# Altium PCB ALCT_MEZ_SPARTAN6T.PcbDoc (part 9 of 12)
Units mil, origin at the board's own origin, x right, y up, seen from the top; angles counter-clockwise.
Board outline 4100 x 5351.19 mil, 12 copper layers (Top Layer, Mid-Layer 1, +3V3, Mid-Layer 2, +1V2, Mid-Layer 4, +1V8, Mid-Layer 5, GND1, Mid-Layer 7, GND2, Bottom Layer), stack 64.7 mil thick; 320 components, 598 nets, 2316 pads, 1572 vias.
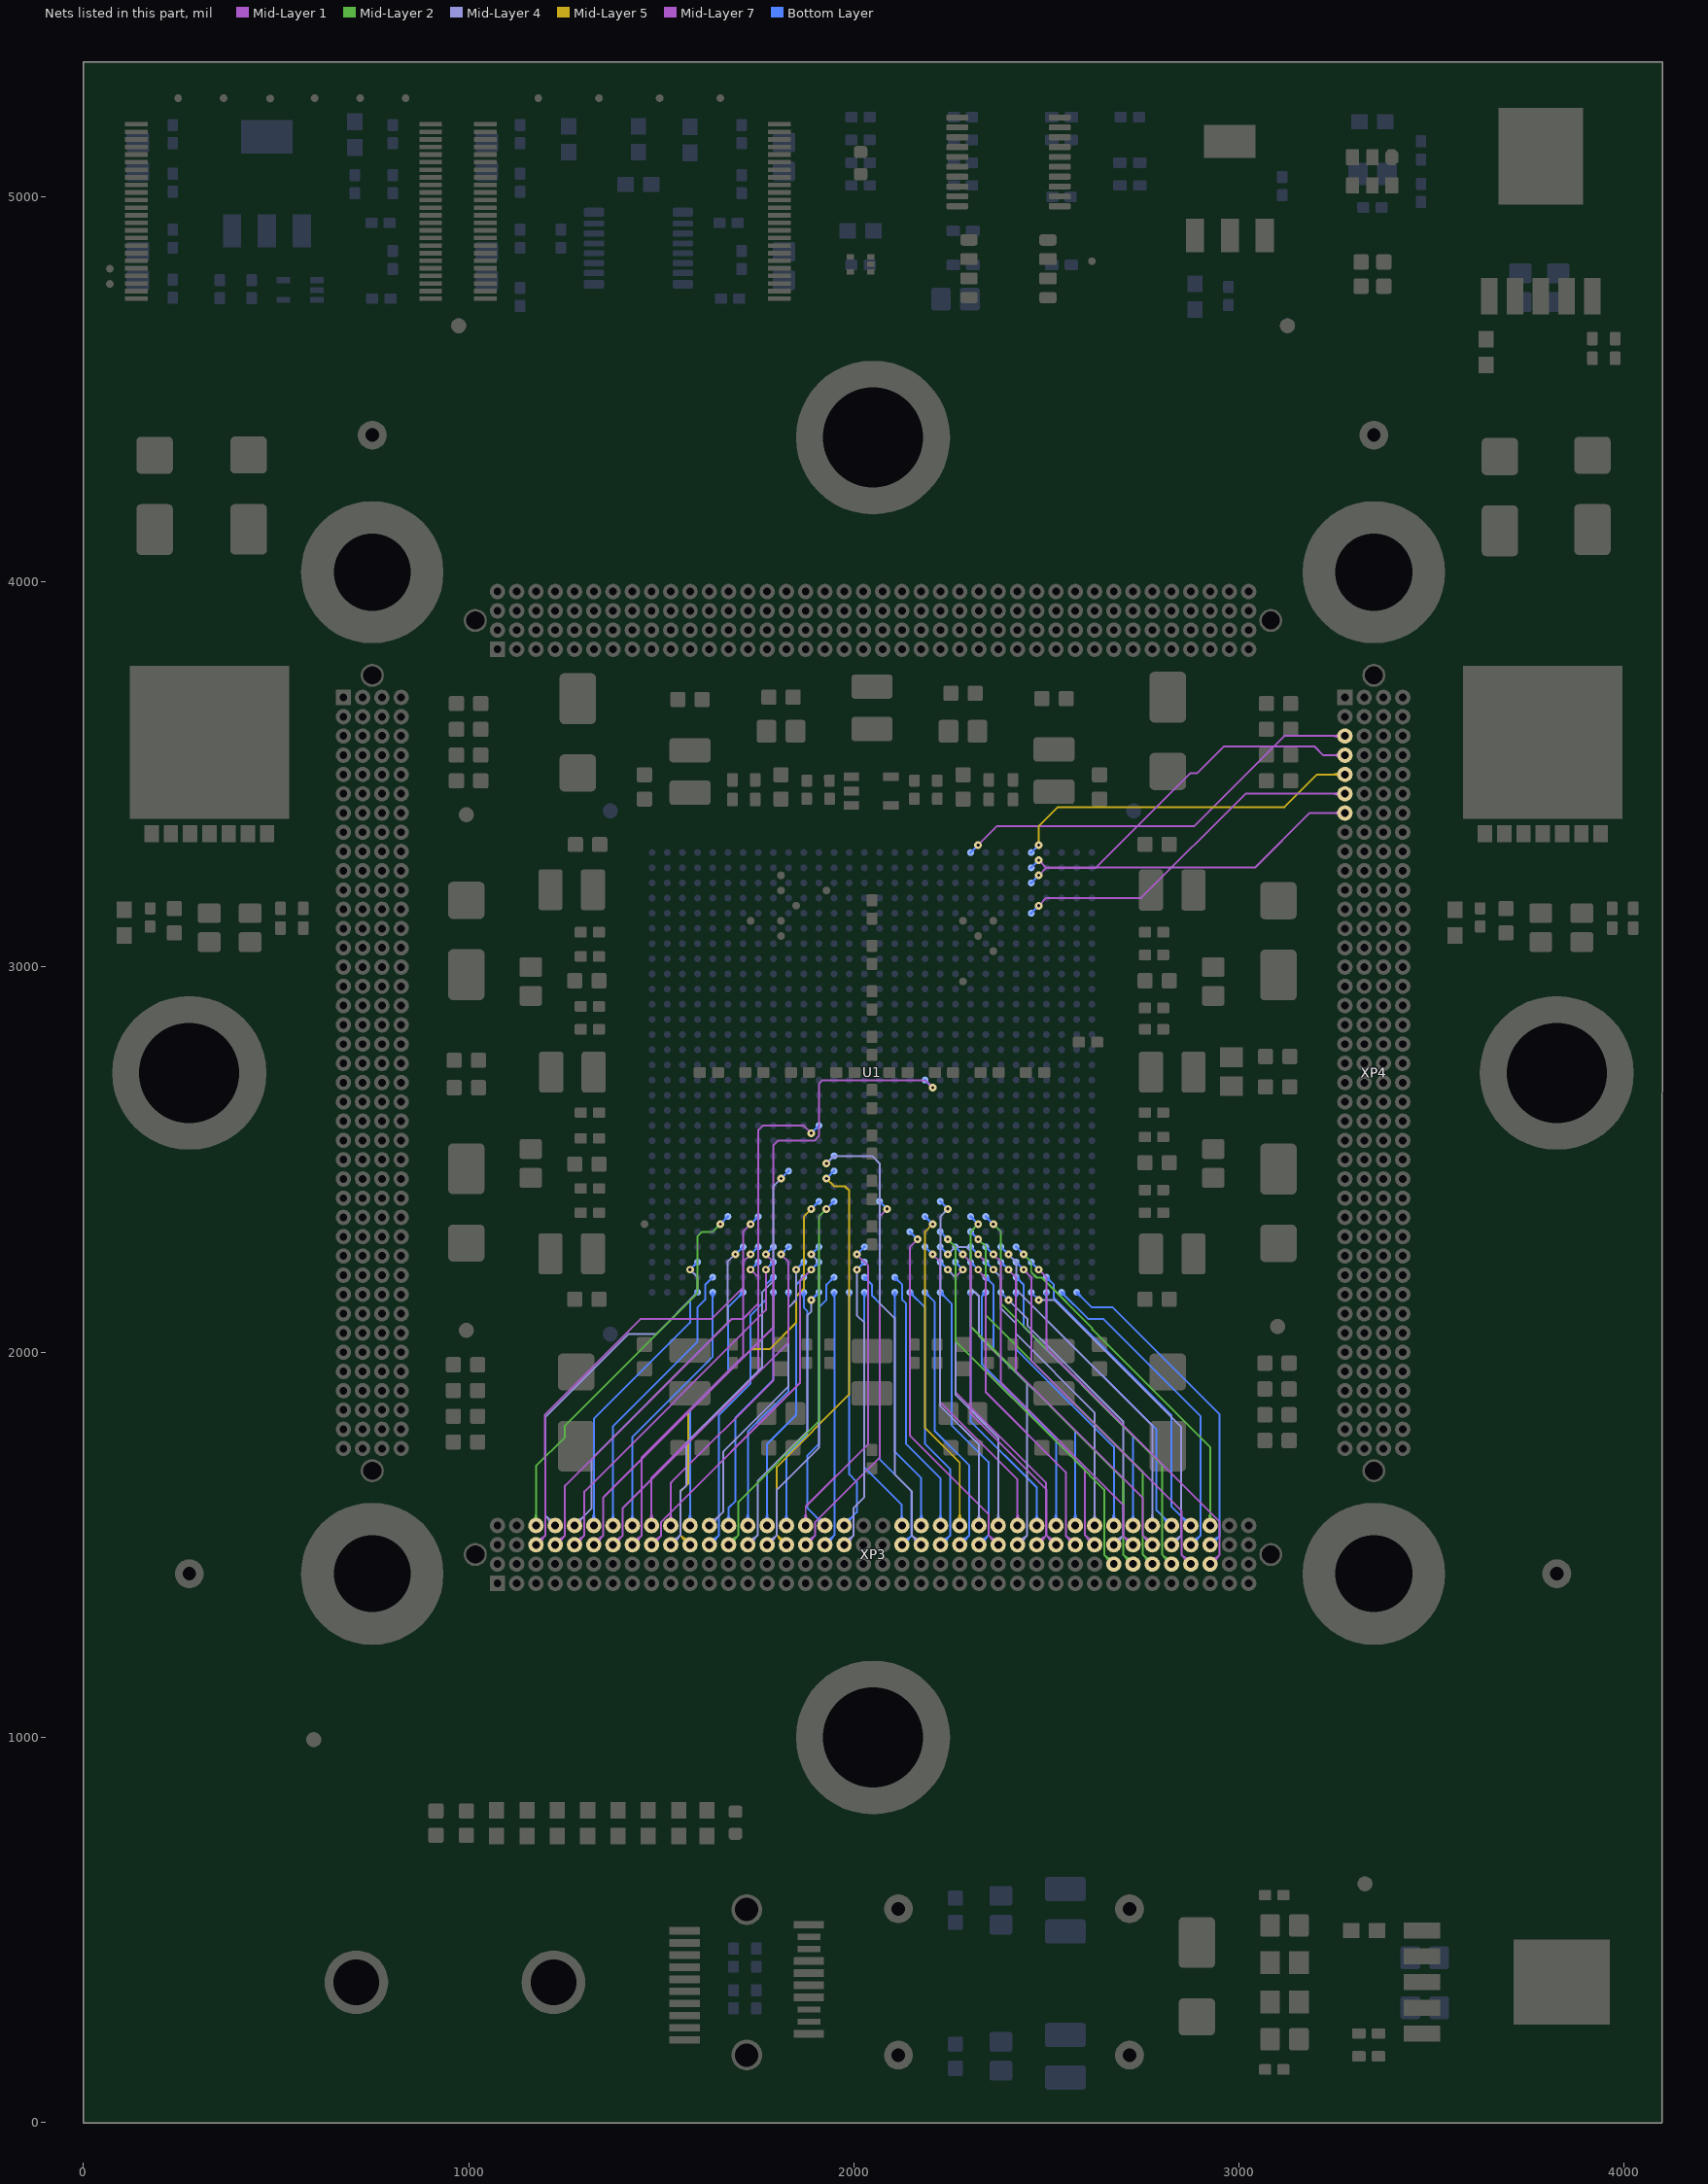
[diagram p19: the nets of this part, all layers, seen from the top]

## Via types
v1: diameter 20, hole 8, Top Layer to Bottom Layer, tented both sides, 1562 vias
v2: diameter 40, hole 20, Top Layer to Bottom Layer, 6 vias
v3: diameter 40, hole 20, Top Layer to Bottom Layer, tented both sides, 4 vias

## Nets (pads, with @x,y where several pads share a name; then routed paths per layer and width w, separated by ;. In a path a pad name is that pad's centre, name@x,y a point inside that pad or via, vN(x,y) a via of type N, cw(c..) or ccw(c..) an arc to the next point about the centre after c; other vN are vias at no path point) (continued)
XP3B_33: U1.L5 XP3.B33 | length 1219.1
  Mid-Layer 2 w5: v1(2244.09,2293.29) 2263.96,2273.42 2263.96,2183.28 2263.96,2167.12 2263.96,2029.32 2561.19,1732.1 2562.21,1732.1 2573.63,1720.68 2573.63,1719.66 2650,1643.29 2650,1473.82 ; XP3.B33@2675,1448.82 XP3.B33@2673.82,1450 ; XP3.B33@2675,1450 XP3.B33@2673.82,1450 ; 2650,1473.82 ccw(c2674.93,1498.75) 2674.98,1463.5 cw(c2674.91,1498.73) 2650,1473.82 ; 2650,1473.82 XP3.B33@2673.82,1450 ; 2652.78,1471.04 cw(c2631.74,1450) 2661.5,1450 ccw(c2631.76,1450) 2652.79,1471.03 ; 2658.52,1465.3 ccw(c2674.96,1481.74) 2674.99,1458.5 cw(c2674.94,1481.74) 2658.51,1465.31 ; 2661.32,1462.5 cw(c2648.81,1450) 2666.5,1450 ccw(c2648.83,1450) 2661.33,1462.5
  Bottom Layer w6: U1.L5@2224.41,2312.99 v1(2244.09,2293.29)
XP3B_34: U1.J6 XP3.B34 | length 1262.2
  Mid-Layer 2 w5: v1(2322.84,2332.68) 2303.33,2313.16 2303.33,2066.75 2700,1670.08 2700,1473.82 ; XP3.B34@2725,1448.82 XP3.B34@2723.82,1450 ; XP3.B34@2725,1450 XP3.B34@2723.82,1450 ; 2700,1473.82 ccw(c2724.93,1498.75) 2724.98,1463.5 cw(c2724.91,1498.73) 2700,1473.82 ; 2700,1473.82 XP3.B34@2723.82,1450 ; 2702.78,1471.04 cw(c2681.74,1450) 2711.5,1450 ccw(c2681.76,1450) 2702.79,1471.03 ; 2708.52,1465.3 ccw(c2724.96,1481.74) 2724.99,1458.5 cw(c2724.94,1481.74) 2708.51,1465.31 ; 2711.32,1462.5 cw(c2698.81,1450) 2716.5,1450 ccw(c2698.83,1450) 2711.33,1462.5
  Bottom Layer w6: U1.J6@2303.15,2352.36 v1(2322.84,2332.68)
XP3B_35: U1.J5 XP3.B35 | length 1226.1
  Mid-Layer 2 w5: v1(2322.84,2293.29) 2342.7,2273.44 2342.7,2096.27 2750,1688.98 2750,1475 XP3.B35@2775,1450 ; XP3.B35@2774.41,1449.41 XP3.B35@2775,1448.82 ; 2760.49,1464.51 ccw(c2775,1479.02) 2775,1458.5 cw(c2775,1479.02) 2760.49,1464.51 ; 2760.49,1464.51 cw(c2745.98,1450) 2766.5,1450 ccw(c2745.98,1450) 2760.49,1464.51 ; 2751.96,1473.04 ccw(c2775,1496.09) 2775,1463.5 cw(c2775,1496.09) 2751.95,1473.05 cw(c2728.91,1450) 2761.5,1450 ccw(c2728.91,1450) 2751.96,1473.04
  Bottom Layer w6: U1.J5@2303.15,2312.99 v1(2322.84,2293.29)
XP3B_36: U1.H6 XP3.B36 | length 1269.9
  Mid-Layer 2 w5: v1(2362.21,2332.68) 2382.07,2312.82 2382.07,2125.81 2800,1707.87 2800,1475 XP3.B36@2825,1450 ; XP3.B36@2824.41,1449.41 XP3.B36@2825,1448.82 ; 2810.49,1464.51 ccw(c2825,1479.02) 2825,1458.5 cw(c2825,1479.02) 2810.49,1464.51 ; 2810.49,1464.51 cw(c2795.98,1450) 2816.5,1450 ccw(c2795.98,1450) 2810.49,1464.51 ; 2801.96,1473.04 ccw(c2825,1496.09) 2825,1463.5 cw(c2825,1496.09) 2801.95,1473.05 cw(c2778.91,1450) 2811.5,1450 ccw(c2778.91,1450) 2801.96,1473.04
  Bottom Layer w6: U1.H6@2342.52,2352.36 v1(2362.21,2332.68)
XP3B_37: U1.F3 XP3.B37 | length 1141.5
  Mid-Layer 1 w5: v1(2440.94,2214.56) 2460.63,2194.88 2460.63,1978.35 2850.5,1588.48 2850.5,1474.5 XP3.B37@2875,1450 ; XP3.B37@2875.59,1449.41 2875,1448.82 XP3.B37@2876.18,1450 ; 2860.49,1464.51 ccw(c2875,1479.02) 2875,1458.5 cw(c2875,1479.02) 2860.49,1464.51 ; 2860.49,1464.51 cw(c2845.98,1450) 2866.5,1450 ccw(c2845.98,1450) 2860.49,1464.51 ; 2851.96,1473.04 ccw(c2875,1496.09) 2875,1463.5 cw(c2875,1496.09) 2851.95,1473.05 cw(c2828.91,1450) 2861.5,1450 ccw(c2828.91,1450) 2851.96,1473.04
  Bottom Layer w6: U1.F3@2421.26,2234.25 v1(2440.94,2214.56)
XP3B_38: U1.E3 XP3.B38 | length 1166.7
  Mid-Layer 1 w5: v1(2480.33,2214.56) 2500.7,2194.19 2500.7,2008.95 2950,1559.65 2950,1473.82 ; XP3.B38@2926.18,1450 2925,1448.82 2950,1473.82 ; 2938.67,1462.49 ccw(c2951.16,1450) 2933.5,1450 cw(c2951.18,1450) 2938.68,1462.5 ; 2950,1473.82 cw(c2925.08,1498.74) 2925.02,1463.5 ccw(c2925.1,1498.72) 2950,1473.82 ; XP3.B38@2925.01,1458.5 ccw(c2925.05,1481.73) 2941.48,1465.3 cw(c2925.06,1481.73) XP3.B38@2925.02,1458.5 ; XP3.B38@2938.5,1450 cw(c2968.25,1450) 2947.21,1471.03 ccw(c2968.23,1450) XP3.B38@2938.5,1450
  Bottom Layer w6: U1.E3@2460.63,2234.25 v1(2480.33,2214.56)
XP3C_3: U1.AC4 XP3.C3 | length 1289.5
  Mid-Layer 1 w5: XP3.C3@1174.41,1499.41 XP3.C3@1175,1498.82 ; XP3.C3@1175,1500 1199.5,1524.5 1199.5,1722.44 1198.51,1723.43 1198.51,1838.28 1446.85,2086.61 1631.92,2086.61 1712.79,2167.49 1712.79,2234.43 v1(1732.29,2253.93) ; 1189.51,1514.51 ccw(c1204.02,1500) 1183.5,1500 cw(c1204.02,1500) 1189.51,1514.51 ; 1189.51,1514.51 cw(c1175,1529.02) 1175,1508.5 ccw(c1175,1529.02) 1189.51,1514.51 ; XP3.C3@1175,1513.5 ccw(c1175,1546.09) 1198.04,1523.04 ccw(c1221.09,1500) 1188.5,1500 cw(c1221.09,1500) 1198.05,1523.05 cw(c1175,1546.09) XP3.C3@1175,1513.5
  Bottom Layer w6: v1(1732.29,2253.93) U1.AC4@1751.98,2273.61
XP3C_4: U1.AC3 XP3.C4 | length 1153.7
  Mid-Layer 1 w5: XP3.C4@1225,1498.82 1250,1523.82 ; 1238.67,1512.49 ccw(c1251.16,1500) 1233.5,1500 cw(c1251.18,1500) 1238.68,1512.5 ; v1(1732.29,2214.56) 1751.8,2195.06 1751.8,2125.81 1712.41,2086.43 1682.89,2086.43 1250,1653.54 1250,1523.82 ; 1250,1523.82 cw(c1225.08,1548.74) 1225.02,1513.5 ccw(c1225.1,1548.72) 1250,1523.82 ; XP3.C4@1225.01,1508.5 ccw(c1225.05,1531.73) 1241.48,1515.3 cw(c1225.06,1531.73) XP3.C4@1225.02,1508.5 ; XP3.C4@1238.5,1500 cw(c1268.25,1500) 1247.21,1521.03 ccw(c1268.23,1500) XP3.C4@1238.5,1500
  Bottom Layer w6: v1(1732.29,2214.56) U1.AC3@1751.98,2234.24
XP3C_5: U1.AB3 XP3.C5 | length 1117
  Mid-Layer 1 w5: XP3.C5@1274.41,1499.41 1275,1498.82 1300.5,1524.32 1300.5,1638.12 1771.66,2109.28 v1(1771.66,2214.56) ; 1288.67,1512.49 ccw(c1301.16,1500) 1283.5,1500 cw(c1301.18,1500) 1288.68,1512.5 ; 1291.52,1515.34 cw(c1275,1531.86) 1275,1508.5 ccw(c1275,1531.89) 1291.53,1515.35 ; XP3.C5@1275,1513.5 ccw(c1275,1548.93) 1300.05,1523.87 cw(c1275,1548.96) XP3.C5@1275,1513.5 ; XP3.C5@1288.5,1500 cw(c1318.25,1500) 1297.21,1521.03 ccw(c1318.23,1500) XP3.C5@1288.5,1500
  Bottom Layer w6: v1(1771.66,2214.56) U1.AB3@1791.34,2234.25
XP3C_6: U1.AB4 XP3.C6 | length 1149.9
  Mid-Layer 1 w5: XP3.C6@1325,1500 1349.5,1524.5 1349.5,1623.14 1791.29,2064.93 1791.29,2234.3 v1(1771.66,2253.93) ; 1339.51,1514.51 ccw(c1354.02,1500) 1333.5,1500 cw(c1354.02,1500) 1339.51,1514.51 ; 1339.51,1514.51 cw(c1325,1529.02) 1325,1508.5 ccw(c1325,1529.02) 1339.51,1514.51 ; XP3.C6@1325,1513.5 ccw(c1325,1546.09) 1348.04,1523.04 ccw(c1371.09,1500) 1338.5,1500 cw(c1371.09,1500) 1348.05,1523.05 cw(c1325,1546.09) XP3.C6@1325,1513.5
  Bottom Layer w6: v1(1771.66,2253.93) U1.AB4@1791.34,2273.61
XP3C_7: U1.AA4 XP3.C7 | length 1143.5
  Mid-Layer 1 w5: XP3.C7@1375,1498.82 1399.5,1523.32 1399.5,1594.4 1830.53,2025.43 1830.53,2234.42 v1(1811.03,2253.93) ; XP3.C7@1375.14,1508.49 ccw(c1375.5,1530.63) 1391.16,1514.98 cw(c1375.52,1530.63) XP3.C7@1375.14,1508.5 ; XP3.C7@1375.22,1513.49 ccw(c1375.77,1547.04) 1399.5,1523.32 cw(c1375.79,1547.02) XP3.C7@1375.23,1513.5 ; 1388.67,1512.49 ccw(c1401.16,1500) 1383.5,1500 cw(c1401.18,1500) 1388.68,1512.5 ; XP3.C7@1388.5,1500 cw(c1418.25,1500) 1397.21,1521.03 ccw(c1418.23,1500) XP3.C7@1388.5,1500
  Bottom Layer w6: v1(1811.03,2253.93) U1.AA4@1830.71,2273.61
XP3C_8: U1.AC6 XP3.C8 | length 1154.7
  Mid-Layer 7 w5: XP3.C8@1425,1500 1449.5,1524.5 1449.5,1727.04 1712.6,1990.14 1712.6,2312.98 v1(1732.29,2332.68) ; 1439.51,1514.51 ccw(c1454.02,1500) 1433.5,1500 cw(c1454.02,1500) 1439.51,1514.51 ; 1439.51,1514.51 cw(c1425,1529.02) 1425,1508.5 ccw(c1425,1529.02) 1439.51,1514.51 ; XP3.C8@1425,1513.5 ccw(c1425,1546.09) 1448.04,1523.04 ccw(c1471.09,1500) 1438.5,1500 cw(c1471.09,1500) 1448.05,1523.05 cw(c1425,1546.09) XP3.C8@1425,1513.5
  Bottom Layer w6: v1(1732.29,2332.68) U1.AC6@1751.98,2352.36
XP3C_9: U1.W3 XP3.C9 | length 1081.9
  Mid-Layer 1 w5: XP3.C9@1475,1498.82 1500,1523.82 ; 1488.67,1512.49 ccw(c1501.16,1500) 1483.5,1500 cw(c1501.18,1500) 1488.68,1512.5 ; v1(1889.78,2214.56) 1860.24,2185.02 1860.24,1919.89 1500,1559.65 1500,1523.82 ; 1500,1523.82 cw(c1475.08,1548.74) 1475.02,1513.5 ccw(c1475.1,1548.72) 1500,1523.82 ; XP3.C9@1475.01,1508.5 ccw(c1475.05,1531.73) 1491.48,1515.3 cw(c1475.06,1531.73) XP3.C9@1475.02,1508.5 ; XP3.C9@1488.5,1500 cw(c1518.25,1500) 1497.21,1521.03 ccw(c1518.23,1500) XP3.C9@1488.5,1500
  Bottom Layer w6: v1(1889.78,2214.56) U1.W3@1909.45,2234.25
XP3C_10: U1.AA9 XP3.C10 | length 1263.9
  Mid-Layer 4 w5: XP3.C10@1525,1500 1550.01,1525.01 1550.01,1638.59 1564.78,1653.36 1564.78,1763.58 1761.81,1960.61 1761.81,2155.51 1791.34,2185.04 1791.34,2431.09 v1(1811.03,2450.78) ; 1539.51,1514.51 ccw(c1554.02,1500) 1533.5,1500 cw(c1554.02,1500) 1539.51,1514.51 ; 1539.51,1514.51 cw(c1525,1529.02) 1525,1508.5 ccw(c1525,1529.02) 1539.51,1514.51 ; XP3.C10@1525,1513.5 ccw(c1525,1546.09) 1548.04,1523.04 ccw(c1571.09,1500) 1538.5,1500 cw(c1571.09,1500) 1548.05,1523.05 cw(c1525,1546.09) XP3.C10@1525,1513.5
  Bottom Layer w6: v1(1811.03,2450.78) U1.AA9@1830.71,2470.47
XP3C_11: U1.W7 XP3.C11 | length 1245.1
  Mid-Layer 5 w5: XP3.C11@1575,1500 1550.5,1524.5 1550.5,1639.08 1569.88,1658.46 1569.88,1843.52 1734.23,2007.87 1781.5,2007.87 1850.39,2076.77 1850.39,2145.67 1870.08,2165.35 1870.08,2352.35 v1(1889.78,2372.04) ; 1560.49,1514.51 ccw(c1575,1529.02) 1575,1508.5 cw(c1575,1529.02) 1560.49,1514.51 ; 1560.49,1514.51 cw(c1545.98,1500) 1566.5,1500 ccw(c1545.98,1500) 1560.49,1514.51 ; 1551.96,1523.04 ccw(c1575,1546.09) 1575,1513.5 cw(c1575,1546.09) 1551.95,1523.05 cw(c1528.91,1500) 1561.5,1500 ccw(c1528.91,1500) 1551.96,1523.04
  Bottom Layer w6: v1(1889.78,2372.04) U1.W7@1909.45,2391.73
XP3C_12: U1.AB2 XP3.C12 | length 955.6
  Bottom Layer w5: XP3.C12@1625,1498.82 XP3.C12@1625.59,1499.41 ; XP3.C12@1625,1500 1650,1525 1650,1837.01 1732.28,1919.29 1732.28,2096.46 1771.65,2135.83 1771.65,2175.19 U1.AB2@1791.34,2194.88 ; 1780.48,2184.01 ccw(c1769.61,2194.88) U1.AB2@1784.98,2194.88 ; 1780.5,2184.03 cw(c1791.34,2173.19) U1.AB2@1791.34,2188.52 ; 1639.51,1514.51 ccw(c1654.02,1500) 1633.5,1500 cw(c1654.02,1500) 1639.51,1514.51 ; 1639.51,1514.51 cw(c1625,1529.02) 1625,1508.5 ccw(c1625,1529.02) 1639.51,1514.51 ; XP3.C12@1625,1513.5 ccw(c1625,1546.09) 1648.04,1523.04 ccw(c1671.09,1500) 1638.5,1500 cw(c1671.09,1500) 1648.05,1523.05 cw(c1625,1546.1) XP3.C12@1625,1513.5
XP3C_13: U1.V7 XP3.C13 | length 1172
  Mid-Layer 2 w5: XP3.C13@1675,1500 1700.5,1525.5 1700.5,1611.92 1909.28,1820.7 1909.28,2352.19 v1(1929.14,2372.04) ; 1689.51,1514.51 ccw(c1704.02,1500) 1683.5,1500 cw(c1704.02,1500) 1689.51,1514.51 ; 1689.51,1514.51 cw(c1675,1529.02) 1675,1508.5 ccw(c1675,1529.02) 1689.51,1514.51 ; XP3.C13@1675,1513.5 ccw(c1675,1546.09) 1698.04,1523.04 ccw(c1721.09,1500) 1688.5,1500 cw(c1721.09,1500) 1698.05,1523.05 cw(c1675,1546.09) XP3.C13@1675,1513.5
  Bottom Layer w6: v1(1929.14,2372.04) U1.V7@1948.82,2391.73
XP3C_14: U1.W1 XP3.C14 | length 898.8
  Mid-Layer 4 w5: XP3.C14@1725,1500 1750.5,1525.5 1750.5,1665.84 1879.92,1795.26 1879.92,2096.46 1889.76,2106.3 v1(1889.76,2135.83) ; 1739.51,1514.51 ccw(c1754.02,1500) 1733.5,1500 cw(c1754.02,1500) 1739.51,1514.51 ; 1739.51,1514.51 cw(c1725,1529.02) 1725,1508.5 ccw(c1725,1529.02) 1739.51,1514.51 ; XP3.C14@1725,1513.5 ccw(c1725,1546.09) 1748.04,1523.04 ccw(c1771.09,1500) 1738.5,1500 cw(c1771.09,1500) 1748.05,1523.05 cw(c1725,1546.09) XP3.C14@1725,1513.5
  Bottom Layer w6: v1(1889.76,2135.83) U1.W1@1909.45,2155.51
XP3C_15: U1.W4 XP3.C15 | length 1012.5
  Mid-Layer 4 w5: XP3.C15@1775,1500 1800.5,1525.5 1800.5,1643.02 1909.45,1751.97 1909.45,2234.26 v1(1889.78,2253.93) ; 1789.51,1514.51 ccw(c1804.02,1500) 1783.5,1500 cw(c1804.02,1500) 1789.51,1514.51 ; 1789.51,1514.51 cw(c1775,1529.02) 1775,1508.5 ccw(c1775,1529.02) 1789.51,1514.51 ; XP3.C15@1775,1513.5 ccw(c1775,1546.09) 1798.04,1523.04 ccw(c1821.09,1500) 1788.5,1500 cw(c1821.09,1500) 1798.05,1523.05 cw(c1775,1546.09) XP3.C15@1775,1513.5
  Bottom Layer w6: v1(1889.78,2253.93) U1.W4@1909.46,2273.61
XP3C_16: U1.V9 XP3.C16 | length 1275.1
  Mid-Layer 5 w5: XP3.C16@1824.41,1499.41 XP3.C16@1825,1498.82 ; XP3.C16@1825,1500 1800,1525 1800,1702.25 1987.51,1889.76 1987.51,2145.67 1988.01,2146.17 1988.01,2419.28 1988,2419.49 1976.58,2430.92 1949,2430.92 v1(1929.14,2450.78) ; 1810.49,1514.51 ccw(c1825,1529.02) 1825,1508.5 cw(c1825,1529.02) 1810.49,1514.51 ; 1810.49,1514.51 cw(c1795.98,1500) 1816.5,1500 ccw(c1795.98,1500) 1810.49,1514.51 ; 1801.96,1523.04 ccw(c1825,1546.09) 1825,1513.5 cw(c1825,1546.09) 1801.95,1523.05 cw(c1778.91,1500) 1811.5,1500 ccw(c1778.91,1500) 1801.96,1523.04
  Bottom Layer w6: v1(1929.14,2450.78) U1.V9@1948.82,2470.47
XP3C_17: U1.R7 XP3.C17 | length 1154.4
  Mid-Layer 7 w5: XP3.C17@1875,1500 1900,1525 1900,1559.65 2066.93,1726.58 2066.93,2352.35 v1(2086.63,2372.04) ; 1889.51,1514.51 ccw(c1904.02,1500) 1883.5,1500 cw(c1904.02,1500) 1889.51,1514.51 ; 1889.51,1514.51 cw(c1875,1529.02) 1875,1508.5 ccw(c1875,1529.02) 1889.51,1514.51 ; XP3.C17@1875,1513.5 ccw(c1875,1546.09) 1898.04,1523.04 ccw(c1921.09,1500) 1888.5,1500 cw(c1921.09,1500) 1898.05,1523.05 cw(c1875,1546.09) XP3.C17@1875,1513.5
  Bottom Layer w6: U1.R7@2066.93,2391.73 v1(2086.63,2372.04)
XP3C_18: U1.V1 XP3.C18 | length 858.2
  Bottom Layer w5: XP3.C18@1925,1498.82 XP3.C18@1925.59,1499.41 ; XP3.C18@1925,1500 1950,1525 1950,2154.33 U1.V1@1948.82,2155.51 ; U1.V1@1944.32,2151.02 cw(c1930.62,2137.31) 1950,2137.31 ; 1950,2143.01 cw(c1961.32,2143.01) U1.V1@1953.31,2151.02 ; 1939.51,1514.51 ccw(c1954.02,1500) 1933.5,1500 cw(c1954.02,1500) 1939.51,1514.51 ; 1939.51,1514.51 cw(c1925,1529.02) 1925,1508.5 ccw(c1925,1529.02) 1939.51,1514.51 ; XP3.C18@1925,1513.5 ccw(c1925,1546.09) 1948.04,1523.04 ccw(c1971.09,1500) 1938.5,1500 cw(c1971.09,1500) 1948.05,1523.05 cw(c1925,1546.1) XP3.C18@1925,1513.5
XP3C_19: U1.T3 XP3.C19 | length 939
  Mid-Layer 4 w5: XP3.C19@1975,1500 1999.5,1524.5 1999.5,1595.96 2027.37,1623.83 2027.37,2076.96 2007.88,2096.45 v1(2007.88,2214.58) ; 1989.51,1514.51 ccw(c2004.02,1500) 1983.5,1500 cw(c2004.02,1500) 1989.51,1514.51 ; 1989.51,1514.51 cw(c1975,1529.02) 1975,1508.5 ccw(c1975,1529.02) 1989.51,1514.51 ; XP3.C19@1975,1513.5 ccw(c1975,1546.09) 1998.04,1523.04 ccw(c2021.09,1500) 1988.5,1500 cw(c2021.09,1500) 1998.05,1523.05 cw(c1975,1546.09) XP3.C19@1975,1513.5
  Bottom Layer w6: v1(2007.88,2214.58) U1.T3@2027.56,2234.25
XP3C_22: U1.T2 XP3.C22 | length 948.6
  Bottom Layer w5: U1.T2@2027.56,2188.52 cw(c2027.56,2173.17) 2038.41,2184.03 cw(c2049.27,2194.88) U1.T2@2033.92,2194.88 ; U1.T2@2027.56,2194.88 2047.19,2175.25 2047.19,2147.67 2066.93,2127.92 2066.93,1722.44 2150,1639.37 2150,1523.82 ; XP3.C22@2124.41,1499.41 2125,1498.82 2125.59,1499.41 2150,1523.82 ; 2138.67,1512.49 ccw(c2151.16,1500) 2133.5,1500 cw(c2151.18,1500) 2138.68,1512.5 ; 2150,1523.82 cw(c2125.08,1548.74) 2125.02,1513.5 ccw(c2125.1,1548.72) 2150,1523.82 ; XP3.C22@2125.01,1508.5 ccw(c2125.05,1531.73) 2141.48,1515.3 cw(c2125.06,1531.73) XP3.C22@2125.02,1508.5 ; XP3.C22@2138.5,1500 cw(c2168.25,1500) 2147.21,1521.03 ccw(c2168.23,1500) XP3.C22@2138.5,1500
XP3C_23: U1.V10 XP3.C23 | length 1383.6
  Mid-Layer 4 w5: v1(1929.14,2490.14) 1948.62,2509.64 2047.44,2509.64 2066.93,2490.16 2066.93,2127.92 2106.3,2088.55 2106.3,1683.07 2150.5,1638.87 2150.5,1524.5 XP3.C23@2175,1500 ; 2160.49,1514.51 ccw(c2175,1529.02) 2175,1508.5 cw(c2175,1529.02) 2160.49,1514.51 ; 2160.49,1514.51 cw(c2145.98,1500) 2166.5,1500 ccw(c2145.98,1500) 2160.49,1514.51 ; 2151.96,1523.04 ccw(c2175,1546.09) 2175,1513.5 cw(c2175,1546.09) 2151.95,1523.05 cw(c2128.91,1500) 2161.5,1500 ccw(c2128.91,1500) 2151.96,1523.04
  Bottom Layer w6: v1(1929.14,2490.14) U1.V10@1948.82,2509.84
XP3C_24: U1.N1 XP3.C24 | length 901.7
  Bottom Layer w5: U1.N1@2145.67,2149.15 cw(c2145.67,2133.8) 2156.52,2144.66 cw(c2167.38,2155.51) U1.N1@2152.03,2155.51 ; U1.N1@2145.67,2155.51 2184.85,2116.33 2184.85,1762 2250,1696.85 2250,1523.82 ; XP3.C24@2224.41,1499.41 2225,1498.82 2250,1523.82 ; 2238.67,1512.49 ccw(c2251.16,1500) 2233.5,1500 cw(c2251.18,1500) 2238.68,1512.5 ; 2250,1523.82 cw(c2225.08,1548.74) 2225.02,1513.5 ccw(c2225.1,1548.72) 2250,1523.82 ; XP3.C24@2225.01,1508.5 ccw(c2225.05,1531.73) 2241.48,1515.3 cw(c2225.06,1531.73) XP3.C24@2225.02,1508.5 ; XP3.C24@2238.5,1500 cw(c2268.25,1500) 2247.21,1521.03 ccw(c2268.23,1500) XP3.C24@2238.5,1500
XP3C_25: U1.M1 XP3.C25 | length 904.5
  Bottom Layer w5: U1.M1@2185.04,2149.15 cw(c2185.04,2133.79) 2195.9,2144.65 ; U1.M1@2185.04,2155.51 2209.65,2130.91 2209.65,1796.26 2300,1705.91 2300,1525 XP3.C25@2275,1500 ; U1.M1@2191.4,2155.51 ccw(c2206.74,2155.51) 2195.89,2144.66 ; 2289.51,1514.51 ccw(c2304.02,1500) 2283.5,1500 cw(c2304.02,1500) 2289.51,1514.51 ; 2289.51,1514.51 cw(c2275,1529.02) 2275,1508.5 ccw(c2275,1529.02) 2289.51,1514.51 ; XP3.C25@2275,1513.5 ccw(c2275,1546.09) 2298.04,1523.04 ccw(c2321.09,1500) 2288.5,1500 cw(c2321.09,1500) 2298.05,1523.05 cw(c2275,1546.1) XP3.C25@2275,1513.5
XP3C_26: U1.L1 XP3.C26 | length 909.7
  Bottom Layer w5: U1.L1@2224.41,2149.15 cw(c2224.41,2133.8) 2235.26,2144.66 cw(c2246.12,2155.51) U1.L1@2230.77,2155.51 ; U1.L1@2224.41,2155.51 2253.94,2125.98 2253.94,1811.02 2350,1714.96 2350,1525 XP3.C26@2325,1500 ; XP3.C26@2324.41,1499.41 XP3.C26@2325,1498.82 ; 2339.51,1514.51 ccw(c2354.02,1500) 2333.5,1500 cw(c2354.02,1500) 2339.51,1514.51 ; 2339.51,1514.51 cw(c2325,1529.02) 2325,1508.5 ccw(c2325,1529.02) 2339.51,1514.51 ; XP3.C26@2325,1513.5 ccw(c2325,1546.09) 2348.04,1523.04 ccw(c2371.09,1500) 2338.5,1500 cw(c2371.09,1500) 2348.05,1523.05 cw(c2325,1546.1) XP3.C26@2325,1513.5
XP3C_27: U1.N5 XP3.C27 | length 1091
  Mid-Layer 7 w5: v1(2165.36,2293.29) 2145.85,2273.79 2145.85,1783.26 2350.5,1578.62 2350.5,1524.5 XP3.C27@2375,1500 ; 2360.49,1514.51 ccw(c2375,1529.02) 2375,1508.5 cw(c2375,1529.02) 2360.49,1514.51 ; 2360.49,1514.51 cw(c2345.98,1500) 2366.5,1500 ccw(c2345.98,1500) 2360.49,1514.51 ; 2351.96,1523.04 ccw(c2375,1546.09) 2375,1513.5 cw(c2375,1546.09) 2351.95,1523.05 cw(c2328.91,1500) 2361.5,1500 ccw(c2328.91,1500) 2351.96,1523.04
  Bottom Layer w6: U1.N5@2145.68,2312.98 v1(2165.36,2293.29)
XP3C_28: U1.L4 XP3.C28 | length 1099.6
  Mid-Layer 4 w5: v1(2244.09,2253.93) 2263.59,2273.43 2291.55,2273.43 2302.98,2262 2302.98,2167.48 2324.79,2145.68 2324.79,2043.34 2450,1918.13 2450,1525 XP3.C28@2425,1500 ; 2439.51,1514.51 ccw(c2454.02,1500) 2433.5,1500 cw(c2454.02,1500) 2439.51,1514.51 ; 2439.51,1514.51 cw(c2425,1529.02) 2425,1508.5 ccw(c2425,1529.02) 2439.51,1514.51 ; XP3.C28@2425,1513.5 ccw(c2425,1546.09) 2448.04,1523.04 ccw(c2471.09,1500) 2438.5,1500 cw(c2471.09,1500) 2448.05,1523.05 cw(c2425,1546.09) XP3.C28@2425,1513.5
  Bottom Layer w6: U1.L4@2224.41,2273.61 v1(2244.09,2253.93)
XP3C_29: U1.K3 XP3.C29 | length 1025
  Mid-Layer 7 w5: v1(2283.48,2214.56) 2263.96,2195.05 2263.96,1896.45 2499.5,1660.92 2499.5,1524.5 XP3.C29@2475,1500 ; 2489.51,1514.51 ccw(c2504.02,1500) 2483.5,1500 cw(c2504.02,1500) 2489.51,1514.51 ; 2489.51,1514.51 cw(c2475,1529.02) 2475,1508.5 ccw(c2475,1529.02) 2489.51,1514.51 ; XP3.C29@2475,1513.5 ccw(c2475,1546.09) 2498.04,1523.04 ccw(c2521.09,1500) 2488.5,1500 cw(c2521.09,1500) 2498.05,1523.05 cw(c2475,1546.09) XP3.C29@2475,1513.5
  Bottom Layer w6: U1.K3@2263.78,2234.25 v1(2283.48,2214.56)
XP3C_30: U1.K4 XP3.C30 | length 1048.7
  Mid-Layer 1 w5: v1(2283.48,2253.93) 2303.11,2234.3 2303.11,1840.59 2500.5,1643.2 2500.5,1532.99 2500.5,1524.5 XP3.C30@2525,1500 ; 2510.49,1514.51 cw(c2495.98,1500) 2516.5,1500 ccw(c2495.98,1500) 2510.49,1514.51 ; 2510.49,1514.51 ccw(c2525,1529.02) 2525,1508.5 cw(c2525,1529.02) 2510.49,1514.51 ; 2501.96,1523.04 cw(c2478.91,1500) 2511.5,1500 ccw(c2478.91,1500) 2501.95,1523.05 ccw(c2525,1546.09) 2525,1513.5 cw(c2525,1546.09) 2501.96,1523.04
  Bottom Layer w6: U1.K4@2263.79,2273.61 v1(2283.48,2253.93)
XP3C_31: U1.J3 XP3.C31 | length 1012.6
  Mid-Layer 1 w5: v1(2322.84,2214.56) 2322.84,2212.03 2342.52,2192.35 2342.52,1899.61 2342.52,1896.64 2550.5,1688.65 2550.5,1523.32 ; 2561.33,1512.49 cw(c2548.84,1500) 2566.5,1500 ccw(c2548.82,1500) 2561.32,1512.5 ; XP3.C31@2574.78,1513.49 cw(c2574.23,1547.04) 2550.5,1523.32 ; XP3.C31@2574.77,1513.5 cw(c2574.21,1547.02) 2550.5,1523.32 ; XP3.C31@2574.86,1508.49 cw(c2574.5,1530.63) 2558.84,1514.98 ccw(c2574.48,1530.63) XP3.C31@2574.86,1508.5 ; XP3.C31@2575.59,1499.41 2575,1498.82 2550.5,1523.32 ; 2552.79,1521.03 cw(c2531.75,1500) 2561.5,1500 ccw(c2531.77,1500) 2552.79,1521.03
  Bottom Layer w6: U1.J3@2303.15,2234.25 v1(2322.84,2214.56)
XP3C_32: U1.J4 XP3.C32 | length 1073.8
  Mid-Layer 7 w5: v1(2322.84,2253.93) 2342.52,2234.25 2342.52,1951.79 2600,1694.31 2600,1525 XP3.C32@2625,1500 ; 2610.49,1514.51 ccw(c2625,1529.02) 2625,1508.5 cw(c2625,1529.02) 2610.49,1514.51 ; 2610.49,1514.51 cw(c2595.98,1500) 2616.5,1500 ccw(c2595.98,1500) 2610.49,1514.51 ; 2601.96,1523.04 ccw(c2625,1546.09) 2625,1513.5 cw(c2625,1546.09) 2601.95,1523.05 cw(c2578.91,1500) 2611.5,1500 ccw(c2578.91,1500) 2601.96,1523.04